# Altium PCB HV Interface.PcbDoc (part 3 of 3)
Units mil, origin at the board's own origin, x right, y up, seen from the top; angles counter-clockwise.
Board outline 6200 x 4300 mil, 2 copper layers (Top Layer, Bottom Layer), stack 59.8 mil thick; 137 components, 86 nets, 402 pads, 288 vias.
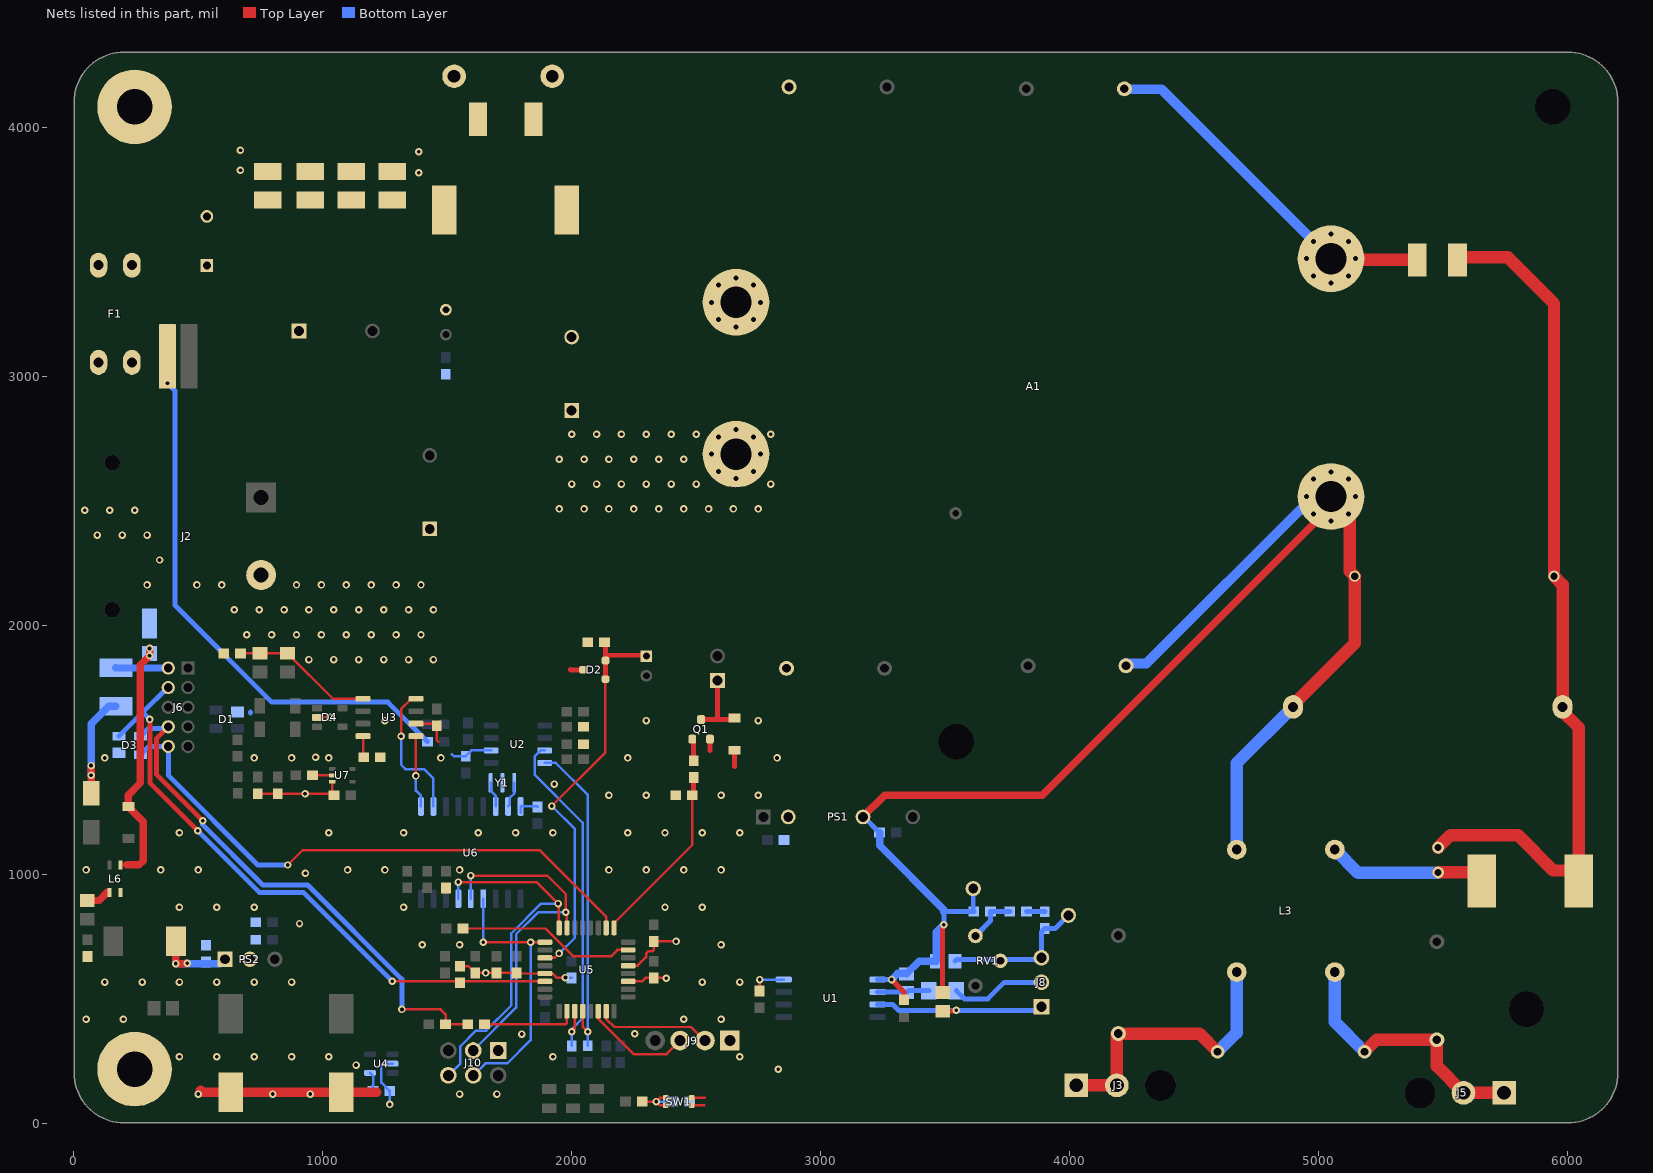
[diagram p3: the nets of this part, all layers, seen from the top]

## Via types
v1: diameter 30, hole 15, Top Layer to Bottom Layer, tented both sides, 256 vias
v2: diameter 40, hole 20, Top Layer to Bottom Layer, tented both sides, 32 vias

## Nets (pads, with @x,y where several pads share a name; then routed paths per layer and width w, separated by ;. In a path a pad name is that pad's centre, name@x,y a point inside that pad or via, vN(x,y) a via of type N, cw(c..) or ccw(c..) an arc to the next point about the centre after c; other vN are vias at no path point) (continued)
DCDC_OUT+: F1.2 F1.4 R15.1 R16.1 | length 2145.7
  Bottom Layer w20: v1(376.6,2975) 407,2944.6 407,2082.57 795.77,1693.81 1262.1,1693.81 R16.1@1420.91,1535
EN_FB: FB2.2 J8.2 | length 382.8
  Bottom Layer w20: FB2.2@3545.12,535.13 3577.61,502.63 3671.63,502.63 3738,569 J8.2@3887,569
EN_HV: C22.1 FB2.1 U1.6 | length 210.8
  Bottom Layer w20: U1.6@3228.19,530 3342.6,530 C22.1@3345,527.6 3352.53,535.13 FB2.1@3434.88,535.13
EXT_NTC_N: D3.2 J6.4 R37.1 U5.22 | length 2492
  Top Layer w10: v1(1280,572.76) U5.22@1892.68,572.76
  Top Layer w20: v1(305.84,1624.65) 305.84,1370.32 v1(498.08,1178.08)
  Bottom Layer w20: D3.2@181.69,1557.4 279.23,1654.94 ; v1(305.84,1624.65) 279.23,1651.26 279.23,1654.94 ; J6.4@380,1752.48 376.77,1752.48 279.23,1654.94 ; v1(498.08,1178.08) 747.36,928.8 923.96,928.8 v1(1280,572.76)
FAN1-: D10.2 J1.1 Q1.3 | length 298.9
  Top Layer w20: Q1.3@2520,1624.37 2580.84,1624.37 ; J1.1@2585.67,1780.79 2585.67,1629.2 2580.84,1624.37 ; D10.2@2655,1637.69 2641.68,1624.37 2580.84,1624.37
FAN1_FET: Q1.1 R34.2 | length 89.4
  Top Layer w20: Q1.1@2484.57,1545.63 2490,1540.2 R34.2@2490,1458.46
FAN1_PWM: R34.1 R36.2 U5.9 | length 736.7
  Top Layer w10: U5.9@2170.24,787.32 2170.24,806.02 2484.57,1120.35 R36.2@2484.57,1320
  Top Layer w20: R36.2@2484.57,1320 2490,1325.43 R34.1@2490,1391.54
FAN2_PWM: D3.4 J6.10 U5.10 | length 2330.6
  Top Layer w10: v1(860,1040) 920,1100 1871.22,1100 2138.74,832.48 U5.10@2138.74,787.32
  Bottom Layer w20: D3.4@268.31,1482.6 301.97,1516.26 J6.10@380,1516.26 380,1400 740,1040 v1(860,1040)
FAULT_HV: J8.1 R6.2 U1.7 | length 731
  Top Layer w20: R6.2@3490,452.73 3538.57,452.73 3542.41,456.57 v1(3545.12,456.57)
  Bottom Layer w20: U1.7@3228.19,480 3289.21,480 3312.64,456.57 v1(3545.12,456.57) 3873,456.57 J8.1@3887,470.57
FILT: C3.1 C9.2 C10.2 C11.2 C12.2 F1.1 F1.3 JP1.1 L2.2 R1.1 R4.2
FUSED: D8.1 F2.2 | length 447.7
  Top Layer w30: D8.1@70,1328.74 v1(70,1400) v1(70,1439.49)
  Bottom Layer w30: v1(70,1400) v1(70,1439.49) 70,1607.76 140.47,1678.23 F2.2@170,1678.23
GND: C18.1 C21.1 C24.2 C25.1 C26.1 C27.1 C28.1 C29.1 C30.1 C31.1 C32.2 C33.2 C34.1 C35.1 C36.2 C37.2 C38.1 C39.1 C40.1 C41.1 C42.1 C43.2 D1.1 D2.3 D3.1 D4.2 D10.1 J9.1 J10.1 L6.4 MTG2.1 PS1.2 PS2.2 Q1.2 R12.1 R13.1 R19.1 R23.1 R33.1 R35.2 R36.1 R37.2 SW1.A U1.4 U2.6 U3.2 U4.2 U5.3 U5.5 U5.21 U6.9 U7.3 Y1.2 | length 3051.2
  Top Layer w10: R33.1@739.43,1326.54 C42.1@819.43,1326.54 v1(929.43,1326.54) 1039.43,1326.54 1039.07,1326.89 U7.3@1039.07,1374.41 ; D4.2@977.48,1632.6 v1(1028.46,1632.6) ; U3.2@1374.76,1607.6 1450,1607.6 C26.1@1458.46,1599.13 1458.46,1540.91 1464.37,1535 ; R37.2@1551.46,633.46 1586.07,633.46 C27.1@1613,606.54 v1(1655.5,606.54) C28.1@1698,606.54 C29.1@1778,606.54 1780.28,604.25 U5.21@1892.68,604.25 1923.42,604.25 1939.6,588.07 v1(1975,588.07) ; U5.3@2227.32,572.76 2282.79,572.76 2296.57,586.54 C32.2@2330,586.54 2378.96,586.54 v1(2380,585.5) ; U5.5@2227.32,635.75 2265.12,635.75 2299.31,669.94 2299.31,685.18 2306.93,692.8 2324.14,692.8 2330,698.66 C33.2@2330,733.07 v1(2419.3,733.07) ; SW1.A@2481.71,75.24 2532.96,75.24 2533.43,75.71 ; SW1.A@2481.71,104.76 2535.63,104.76 ; C18.1@2755,533.46 v1(2755,580)
  Top Layer w20: 1995,1825 1995.93,1824.07 D2.3@2045.83,1824.07 ; 2555,1500 2555.43,1500.43 Q1.2@2555.43,1545.63 ; 2655,1435 D10.1@2655,1500.81
  Top Layer w40: 510,135 517.6,127.4 1215.77,127.4
  Bottom Layer w10: v1(1269.06,78.31) R23.1@1269.06,132.4 1235.59,165.87 1235.59,236.54 1241.45,242.4 U4.2@1280.87,242.4 ; 1519.37,1484.09 1526.81,1476.65 C24.2@1574.37,1476.65 1597.72,1500 U2.6@1677.09,1500 ; U6.9@1795,1249.45 U6.9@1795,1275.04 1861.14,1275.04 C34.1@1863.11,1273.07 ; v1(1975,588.07) 1998.46,588.07 C30.1@2000,586.54 ; v1(2755,580) U1.4@2851.81,580
  Bottom Layer w20: 710,1650 710,1654.53
  other v1: 500,120 800,120 950,120 1550,120 1700,120 2830,220 1134.21,236.54 425,270 575,270 725,270 875,270 1025,270 1925,270 2675,270 1800,361.03 2253.41,362.76 50,420 200,420 2450,420 2600,420 125,570 275,570 425,570 575,570 725,570 875,570 2525,570 2675,570 1400,720 1550,720 2600,720 907,805 425,870 575,870 725,870 1325,870 2375,870 2525,870 931,1007 50,1020 350,1020 500,1020 1100,1020 1250,1020 1550,1020 2150,1020 2300,1020 2450,1020 2600,1020 425,1170 1025,1170 1325,1170 1625,1170 1775,1170 1925,1170 2225,1170 2375,1170 2525,1170 2675,1170 2150,1320 2300,1320 2600,1320 2750,1320 1930.04,1365 125,1470 725,1470 875,1470 1025,1470 1475,1470 2225,1470 2825,1470 971.57,1472.6 1250,1620 2300,1620 2750,1620
HV+: A1.1 C4.1 FB1.2 | length 1923.2
  Top Layer w50: FB1.2@5400,3470 A1.1@5143.43,3470 ; A1.1@5143.43,3470 v2(5148.43,3475) 5119.6,3503.83 v2(5119.6,3544.6) 5078.83,3544.6 v2(5050,3573.43) 5021.17,3544.6 v2(4980.4,3544.6) 4980.4,3503.83 v2(4951.57,3475) 4980.4,3446.17 v2(4980.4,3405.4) 5021.17,3405.4 v2(5050,3376.57) 5078.83,3405.4 v2(5119.6,3405.4) 5119.6,3446.17 A1.1@5143.43,3470
  Bottom Layer w40: C4.1@4220,4157.5 4221.91,4155.59 4369.41,4155.59 v2(4980.4,3544.6)
HV+_CMC: L1.1 L3.4 R3.1 | length 643.3
  Top Layer w50: R3.1@5480,1010 5620.12,1010 L1.1@5655.12,975
  Bottom Layer w50: L3.4@5065,1102.13 5158.39,1008.73 R3.1@5480,1008.73
HV+_FIL: C8.2 FB1.1 L1.2 R3.2 R5.2 | length 3477.9
  Top Layer w50: R3.2@5480,1110 5530,1160 5800,1160 5942.08,1017.92 6012.8,1017.92 L1.2@6044.88,985.83 ; FB1.1@5553.54,3470 5563.54,3480 5760,3480 5945.39,3294.61 R5.2@5945.39,2200 5980,2165.39 C8.2@5980,1675 ; C8.2@5976.34,1660 6044.88,1591.46 L1.2@6044.88,985.83 ; L1.2@6044.88,975 L1.2@6044.88,985.83
HV-: A1.2 C8.1 C15.2 C17.1 C19.2 C20.1 C22.2 L3.3 PS1.5 R5.1 R6.1 R9.1 TP2.1 U1.5 | length 7157.4
  Top Layer w20: v1(3285,580) 3335,530 C17.1@3335,498.46 ; R6.1@3490,527.53 3490,792.29 3495,797.29 v1(3495,800)
  Top Layer w30: PS1.5@3170,1233.15 3256.85,1320 3890,1320 5050,2480 A1.2@5050,2520
  Top Layer w40: v2(4951.57,2520) 4980.4,2548.83 v2(4980.4,2589.6) 5021.17,2589.6 v2(5050,2618.43) 5078.83,2589.6 v2(5119.6,2589.6) 5119.6,2548.83 v2(5148.43,2520) 5119.6,2491.17 v2(5119.6,2450.4)
  Top Layer w50: C8.1@4897.32,1675 4897.32,1682.5 5145,1930.18 R5.1@5145,2200 5125,2220 5125,2445 v2(5119.6,2450.4) A1.2@5050,2520 ; v2(5050,2421.57) A1.2@5050,2480
  Bottom Layer w20: PS1.5@3170,1233.15 3173.39,1233.15 C20.1@3236.54,1170 ; U1.5@3228.19,580 v1(3285,580) ; v1(3495,800) 3495,853 R9.1@3612.8,853 ; TP2.1@3613,945 3613,855.54 R9.1@3615.54,853
  Bottom Layer w30: C20.1@3236.54,1170 3236.54,1118.98 3495,860.51 3495,853 ; v1(3285,580) 3309.37,604.37 C22.2@3345,604.37 ; C22.2@3345,602.4 3396.02,653.43 C19.2@3464.6,653.43 3464.6,769.6 v1(3495,800)
  Bottom Layer w40: C15.2@4220,1850 4309.29,1850 A1.2@4965.43,2506.14
  Bottom Layer w50: L3.3@4671.3,1102.13 4671.3,1448.98 C8.1@4897.32,1675
  other v2: 4980.4,2450.4
HV_IN+: C5.1 C7.2 J3.1 J3.2 L3.2 | length 1156.5
  Top Layer w50: J3.1@4027.01,155 J3.2@4190,155 C5.1@4190,363.15 ; C5.1@4191.17,363.15 C5.1@4195.79,363.15 4521.3,363.15 C7.2@4594.45,290
  Bottom Layer w50: C7.2@4594.45,290 4671.3,366.85 L3.2@4671.3,610
HV_IN-: C7.1 C14.2 J5.1 J5.2 L3.1 | length 1100.1
  Top Layer w50: C7.1@5185,290 5233.15,338.15 C14.2@5475,338.15 5475,232.01 J5.2@5582.01,125 J5.1@5745,125
  Bottom Layer w50: L3.1@5065,610 5065,410 C7.1@5185,290
I2C.SCL: R25.1 U2.4 U5.28 | length 1325
  Top Layer w10: U5.28@2044.25,452.68 2044.25,390.75 v1(2065,370)
  Bottom Layer w10: U2.4@1891.65,1450 1936.16,1450 2065,1321.16 v1(2065,370) R25.1@2065,314.09
I2C.SDA: R24.1 U2.3 U5.27 | length 1398.6
  Top Layer w10: v1(2000,370) 2012.76,382.76 U5.27@2012.76,452.68
  Bottom Layer w10: U2.3@1891.65,1500 1874.92,1500 1852.11,1477.19 1852.11,1401.87 2044.25,1209.72 2044.25,424.42 2003.83,384 2003.83,373.83 v1(2000,370) R24.1@2000,313.46
IN+: F2.1 J6.2 | length 210
  Bottom Layer w30: F2.1@170,1831.77 J6.2@380,1831.22
IN-: D9.2 L6.1 NT1.1 | length 987.5
  Top Layer w30: 212.57,1040.12 262.43,1040.12 280,1057.69 280,1213.83 D9.2@219.46,1274.37 219.46,1320.59 268.31,1369.43 268.31,1843.31 v1(305,1880) v1(305,1909.96)
L+: FB4.1 L6.3 | length 93.3
  Top Layer w30: FB4.1@55,897.4 102.32,897.4 134.8,929.88
m: 
MCUCLK: R29.2 U5.7 | length 721.1
  Top Layer w10: R29.2@1563.46,785 1894.61,785 2006.87,672.74 2157.8,672.74 2183.8,698.74 U5.7@2227.32,698.74
NetC35_2: C35.2 R28.2 SW1.B | length 210.1
  Top Layer w10: R28.2@2283.46,90 v1(2339.76,90) ; SW1.B@2377.38,75.24 2354.52,75.24 v1(2339.76,90) ; SW1.B@2377.38,104.76 2354.52,104.76 v1(2339.76,90)
  Bottom Layer w10: v1(2339.76,90) C35.2@2406.08,90
NetC39_2: C39.2 L5.2 PS2.1 | length 361.9
  Top Layer w30: L5.2@406,751 410,747 v1(410,644) 450,644 449,645 v1(456,645)
  Bottom Layer w30: v1(410,644) 588,644 606,662 PS2.1@607,661
NetR7_1: R7.1 R8.2 | length 74.3
  Bottom Layer w20: R8.2@3826.96,853 3900.46,853 R7.1@3901,852.46
NetR8_1: R8.1 R9.2 RV1.1 | length 200.6
  Bottom Layer w20: RV1.1@3622,755 3682.46,815.46 R9.2@3682.46,853 R8.1@3760.03,853
NetR19_2: R19.2 U3.8 | length 86.2
  Top Layer w10: U3.8@1162.16,1557.6 1162.16,1475.43 R19.2@1165,1472.6
NetR23_2: R23.2 U4.4 | length 78.1
  Bottom Layer w10: U4.4@1190.31,205 1202.83,192.48 1202.83,153.61 1202.13,152.9 R23.2@1202.13,132.4
NetR32_1: R32.1 U7.2 | length 79.6
  Top Layer w10: R32.1@959.43,1400 U7.2@1039.07,1400
OSC1: U6.8 Y1.3 | length 105.1
  Bottom Layer w10: U6.8@1745,1275.04 1751.25,1281.29 1751.25,1308.51 1769.43,1326.69 Y1.3@1769.43,1370
OSC2: U6.7 Y1.1 | length 103.3
  Bottom Layer w10: Y1.1@1674.94,1370 1674.94,1338.5 1695,1318.45 U6.7@1695,1275.04
PGND: A1.4 C1.2 C2.2 C3.2 C9.1 C10.1 C11.1 C12.1 C13.2 C16.2 J2.2 MTG1.1 NT1.2 R2.1
  other v1: 945,1865 1045,1865 1145,1865 1245,1865 1345,1865 1445,1865 695,1965 795,1965 895,1965 995,1965 1095,1965 1195,1965 1295,1965 1395,1965 645,2065 745,2065 845,2065 945,2065 1045,2065 1145,2065 1245,2065 1345,2065 1445,2065 295,2165 495,2165 595,2165 895,2165 995,2165 1095,2165 1195,2165 1295,2165 1395,2165 345,2265 95,2365 195,2365 295,2365 45,2465 145,2465 245,2465 1950,2470 2050,2470 2150,2470 2250,2470 2350,2470 2450,2470 2550,2470 2650,2470 2750,2470 2000,2570 2100,2570 2200,2570 2300,2570 2400,2570 2500,2570 2800,2570 1950,2670 2050,2670 2150,2670 2250,2670 2350,2670 2450,2670 2000,2770 2100,2770 2200,2770 2300,2770 2400,2770 2500,2770 2800,2770 1386,3820 670,3830 1386,3905 670,3910.59
  other v2: 2660,2591.57 2590.4,2620.4 2729.6,2620.4 2561.57,2690 2758.43,2690 2590.4,2759.6 2729.6,2759.6 2660,2788.43
RX: U3.4 U6.2 | length 566.1
  Top Layer w10: v1(1315,1557.6) 1315,1666.53 1356.06,1707.6 U3.4@1374.76,1707.6
  Bottom Layer w10: v1(1315,1557.6) 1315,1442.46 1332.46,1425 1407.59,1425 1445,1387.59 U6.2@1445,1275.04
SPI.MISO: J10.6 U5.16 U6.15 | length 1538.5
  Top Layer w10: v1(1545,971.54) 1859.13,971.54 v1(1945.67,885) 1947.72,882.95 1947.72,789.37 U5.16@1949.76,787.32
  Bottom Layer w10: J10.6@1505,195 1553.46,243.46 1553.46,312 1616.46,375 1656.54,375 1757.45,475.92 1757.45,765.08 1877.37,885 v1(1945.67,885) ; U6.15@1545,904.96 v1(1545,971.54)
SPI.MOSI: J10.3 U5.15 U6.14 | length 1414.8
  Top Layer w10: v1(1595,997.54) 1902.21,997.54 1976.37,923.38 v1(1976.37,850) ; U5.15@1981.26,787.32 v1@1981.26,850
  Bottom Layer w10: U6.14@1595,904.96 v1(1595,997.54) ; J10.3@1605,295 1776.96,466.96 1776.96,761.96 1865,850 v1(1976.37,850)
SPI.SCK: J10.4 U5.17 U6.13 | length 1104.5
  Top Layer w10: v1(1645,730.24) v1(1835,730.24) U5.17@1892.68,730.24
  Bottom Layer w10: J10.4@1605,195 1653.46,243.46 1741.61,243.46 1835,336.86 v1(1835,730.24) ; v1(1645,730.24) U6.13@1645,904.96
SPLIT: C25.2 R17.1 R18.2 U3.5 | length 567.7
  Top Layer w10: C25.2@670,1890 R17.1@858.46,1890 1040.87,1707.6 U3.5@1162.16,1707.6
TRIM: C19.1 J8.3 R7.2 RV1.2 TP1.1 | length 597.7
  Bottom Layer w20: C19.1@3539.4,653.43 3545.94,659.96 3717.04,659.96 RV1.2@3722,655 3728.21,661.21 3880.79,661.21 J8.3@3887,667.43 3887,771.54 R7.2@3900.54,785.07 ; R7.2@3900,785.07 R7.2@3900.54,785.07 ; TP1.1@3995,838 3942.07,785.07 R7.2@3900.54,785.07
TS_DET: R39.2 U5.26 | length 380.4
  Top Layer w10: R39.2@1649.93,400 1975.12,400 1981.26,406.14 U5.26@1981.26,452.68
TS_DET_IN: D3.3 J6.8 R38.1 R39.1 | length 2107.9
  Top Layer w10: v1(1318.27,460) 1473.46,460 1493.46,440 R38.1@1493.46,400 R39.1@1583,400
  Top Layer w20: J6.8@380,1595 333.43,1548.43 333.43,1402.73 v1(518.08,1218.08)
  Bottom Layer w20: D3.3@268.31,1557.4 299.91,1589 374,1589 J6.8@380,1595 ; v1(518.08,1218.08) 518.08,1201.92 760,960 940,960 1318.27,581.73 v1(1318.27,460)
TX: U3.1 U6.1 | length 290.9
  Top Layer w10: v1(1374.76,1397.86) U3.1@1374.76,1557.6
  Bottom Layer w10: v1(1374.76,1397.86) 1374.76,1339.03 1395,1318.79 U6.1@1395,1275.04
UART.RXD: J9.3 U5.30 | length 440.1
  Top Layer w10: U5.30@2107.24,452.68 2107.24,422.15 2248.76,280.63 2381.26,280.63 J9.3@2435.63,335
UART.TXD: J9.2 U5.31 | length 463.5
  Top Layer w10: U5.31@2138.74,452.68 2138.74,422.15 2171.52,389.37 2480,389.37 2534.37,335 J9.2@2535.63,335
VICOR_NTC: D2.1 D2.2 J4.1 R35.1 U5.19 | length 1635.7
  Top Layer w10: U5.19@1892.68,667.24 1932.01,667.24 v1(1949.63,684.86) ; v1(1920,1276.65) 2135.99,1492.65 D2.1@2135.99,1786.67
  Top Layer w20: R35.1@2131.93,1935 2135.99,1930.94 2135.99,1882.46 ; D2.1@2135.99,1786.67 D2.2@2135.99,1861.47 2135.99,1882.46 ; J4.1@2300,1878.74 2296.28,1882.46 2135.99,1882.46
  Bottom Layer w10: v1(1920,1276.65) 2012.76,1183.9 2012.76,747.99 v1(1949.63,684.86)
VICOR_OUT: A1.3 C6.1 C13.1 JP1.2 L2.1 R4.1
  other v2: 2660,3201.57 2590.4,3230.4 2729.6,3230.4 2561.57,3300 2758.43,3300 2590.4,3369.6 2729.6,3369.6 2660,3398.43
pads on no net: J2.M1 J2.M2 J3.3 J5.3 MTG3.1 MTG4.1 MTG5.1 RV1.3 U4.3 U5.8 U6.4 U6.5 U6.6 U6.10 U6.11 U7.1
copper on no net: | length 1.3
  Top Layer w20: 2750,220 2750.91,219.09

## Polygon pours and split planes (outlines as drawn)
GND on Bottom Layer "BOT_GND" (solid, remove dead copper, pour order 13): 2890,2560 0,2560 0,-60 65,5 2905,5
PGND on Bottom Layer "PGND_L02_P008" (solid, remove dead copper, pour order 8): 365,2255 850,1770 2900,1770 2900,4305 100,4305 ccw(c100,4205) 0,4205 0,2255
BASE on Bottom Layer "BASE_L02_P000" (solid, remove dead copper, pour order 0): 3484.95,1631.5 3900,1631.5 3900,4245 3484.95,4245
+DCDC_OUT on Bottom Layer "+DCDC_OUT_L02_P002" (solid, remove dead copper, pour order 2): 421.89,3220 421.89,2338.11 1085.74,2338.11 1085.74,3069.26 935.26,3219.74 536.97,3219.74
PGND on Top Layer "PGND" (solid, pour order 12): 2873.51,2910 2873.51,2440 1875,2440 1875,2910
VICOR_OUT on Top Layer "VICOR_OUT_L01_P003" (solid, remove dead copper, pour order 3): 1730,4300 1730,2910 2904.62,2910 2900,4305
FILT on Top Layer "FILT_L01_P006" (solid, remove dead copper, pour order 6): 1710,4304.68 1710,3230 0,3230 5,4301.16
GND on Top Layer "TOP_GND" (solid, remove dead copper, pour order 14): 2892.08,2205 -2.78,2205 -20,5 65,5 2905,5
+DCDC_OUT on Top Layer "+DCDC_OUT_L01_P015" (solid, remove dead copper, pour order 15): 421.89,3220 421.89,2338.11 1085.74,2338.11 1085.74,3069.26 935.26,3219.74 536.97,3219.74
DCDC_OUT+ on Top Layer "DCDC_OUT+_L01_P007" (solid, remove dead copper, pour order 7): 411.14,3220 411.14,2945 15,2945 15,3225
PGND on Top Layer "PGND_L01_P009" (solid, remove dead copper, pour order 9): 7,2940 7,2543 7,1960.5 659.5,1960.5 860,1760 1515,1760 1515,2345 365,2345 365,2940
PGND on Top Layer "PGND_L01_P005" (solid, remove dead copper, pour order 5): 1408,3790 635,3790 635,3945 1408,3945

## Keep-outs
Top Layer:
  rectangle: 2645,680 2870,1045
Keep-Out Layer:
  rectangle: 2895,5 2920,4304.68
  lines w15: 1.93,204.68 ccw(c201.93,204.68) 201.93,4.68 6001.93,4.68 ccw(c6001.93,204.68) 6201.93,204.68 6201.93,4104.68 ccw(c6001.93,4104.68) 6001.93,4304.68 201.93,4304.68 ccw(c201.93,4104.68) 1.93,4104.68 1.93,204.68

## Other copper
Top Layer:
  rectangle net GND: 183,895 195,965
  rectangle net A1: 1965.2,1614.17 1997.49,1644.92
  rectangle net IN-: 175.07,1016.4 219.46,1063.83
  rectangle net GND: 165,915 258.59,945
  pour cut-out: 1343.95,1628.49 1343.95,1586.71 1463.46,1586.71 1463.46,1628.49
  region net +5_MCU: 2330,801.04
  region net +5_MCU: 2330,800
  pour cut-out: 1660,825.71 1660,414.29 2348,414.29 2348,825.71
  pour cut-out: 1020,1380 1022.34,1377.66 1022.34,1302 1069.43,1302 1067.62,1303.81 1067.62,1381.3
  pour cut-out: 85,1880 255,1880 255,1630 85,1630
Bottom Layer:
  rectangle net PGND: 275,1980 335,2090
  rectangle net PGND: 268.31,2010 355,2300
  rectangle net HV-: 3305,580 3330.36,595
  pour cut-out: 254.29,1880 84.29,1880 84.29,1630 254.29,1630
  pour cut-out: 1314.49,247.4 1310.49,251.4 1310.49,264.21 1222.16,264.21 1215.77,257.83 1215.77,127.4 1265.87,127.4 1289.57,151.1
  region: 145,1685
  pour cut-out: 1544.37,1525 1544.37,1443.19 1784.37,1443.19 1784.37,1525
  region: 1638.7,1525

## Silkscreen, mask and mechanical layers (free items; w line width, h text height)
Top Overlay:
  drawing of 16 lines, arcs and shapes, not listed
  text "Filter Bypass" at 925,4155 h50
  text "X" at 2240,3885 h400
  text "+12" at 2465,3610 h100
  text "X" at 4185,3485 h400
  text "HV+" at 4585,3415 h100
  text "f" at 30,2865 h80
  text "20A" at 135,2845 h60
  text "m" at 3625,2660 h800
  text "HV-" at 4600,2445 h100
  text "HV Interface Board / CS4.5 / Andrew Katz / aakatz3@gmail.com / 2/25/20" at 5900,2400 h60 r90
  text "a" at 2685,2255 h150
  text "0V" at 2445,2250 h100
  text "NTC" at 2195,2060 h60
  text "FAN" at 2480,2060 h60
  text "JLCJLCJLCJLC" at 5145,1635 h60
  text "m" at 3786,1080 h400
  text "GLV" at 2672,1031 h120 r270
  text "m" at 3510,915 h100 r90
  text "c" at 2701,708 h100 r270
  text "i" at 980,605 h300
  text "TSV" at 3535,574 h120 r90
  text "+" at 3670,40 h200
  text "Reset" at 2509,17 h30
  text "-" at 5915,-66.39 h200
Bottom Overlay:
  lines w10: 510,2515 590,2515 ; 590,2465 590,2570
  lines w30: 2920,5 2920,1170 ; 2920,1290 2920,1760 ; 2920,1905 2920,4090 ; 2920,4220 2920,4304.68 ; 3300,5 3300,470 ; 3300,655 3300,1120 ; 3300,1290 3300,1760 ; 3300,1905 3300,4090 ; 3300,4220 3300,4304.68
  text "+12" at 2771.36,3603.9 h100
  text "HV+" at 4905,3410 h100
  text "X" at 581,3014 h400
  text "m" at 4505,2660 h800
  text "+12" at 610,2475.02 h30 r270
  text "HV-" at 4900,2450 h100
  text "a" at 2560,2265 h150
  text "0V" at 2800,2260 h100
  text "a" at 510,2155 h150 r270
  text "TSV" at 3507,1129 h120 r90
  text "c" at 2702,929 h100 r270
  text "m" at 3479,826 h100 r90
  text "GLV" at 2677,599 h120 r270
Top Assembly:
  text "NTC" at 2220,2060 h50
  text "FAN" at 2520,2020 h50
Drill Drawing:
  drawing of 185 lines, arcs and shapes, not listed
  text "Symbol" at -462.95,-138.94 h60.8
  text "Count" at -30.78,-138.94 h60.8
  text "Hole Size" at 478.87,-138.94 h60.8
  text "Plated" at 1452.83,-138.94 h60.8
  text "Hole Type" at 1885,-138.94 h60.8
  text "Drill Layer Pair" at 2509.65,-138.94 h60.8
  text "Via/Pad" at 3779.07,-138.94 h60.8
  text "Pad Shape" at 4282.15,-138.94 h60.8
  text "1" at -30.78,-265.61 h50.67
  text "27.00mil (0.686mm)" at 478.87,-265.61 h50.67
  text "PTH" at 1452.83,-265.61 h50.67
  text "Round" at 1885,-265.61 h50.67
  text "Top Layer - Bottom Layer" at 2509.65,-265.61 h50.67
  text "Pad" at 3779.07,-265.61 h50.67
  text "Rounded" at 4282.15,-265.61 h50.67
  text "2" at -30.78,-392.28 h50.67
  text "30.00mil (0.762mm)" at 478.87,-392.28 h50.67
  text "PTH" at 1452.83,-392.28 h50.67
  text "Round" at 1885,-392.28 h50.67
  text "Top Layer - Bottom Layer" at 2509.65,-392.28 h50.67
  text "Pad" at 3779.07,-392.28 h50.67
  text "Rounded" at 4282.15,-392.28 h50.67
  text "2" at -30.78,-518.95 h50.67
  text "40.00mil (1.016mm)" at 478.87,-518.95 h50.67
  text "PTH" at 1452.83,-518.95 h50.67
  text "Round" at 1885,-518.95 h50.67
  text "Top Layer - Bottom Layer" at 2509.65,-518.95 h50.67
  text "Pad" at 3779.07,-518.95 h50.67
  text "Rounded" at 4282.15,-518.95 h50.67
  text "H" at -488.59,-528.94 h56.3
  text "2" at -30.78,-645.62 h50.67
  text "51.18mil (1.300mm)" at 478.87,-645.62 h50.67
  text "PTH" at 1452.83,-645.62 h50.67
  text "Round" at 1885,-645.62 h50.67
  text "Top Layer - Bottom Layer" at 2509.65,-645.62 h50.67
  text "Pad" at 3779.07,-645.62 h50.67
  text "Rounded" at 4282.15,-645.62 h50.67
  text "D" at -488.59,-655.61 h56.3
  text "2" at -30.78,-772.29 h50.67
  text "60.00mil (1.524mm)" at 478.87,-772.29 h50.67
  text "PTH" at 1452.83,-772.29 h50.67
  text "Round" at 1885,-772.29 h50.67
  text "Top Layer - Bottom Layer" at 2509.65,-772.29 h50.67
  text "Pad" at 3779.07,-772.29 h50.67
  text "(Mixed)" at 4282.15,-772.29 h50.67
  text "2" at -30.78,-898.96 h50.67
  text "63.00mil (1.600mm)" at 478.87,-898.96 h50.67
  text "NPTH" at 1452.83,-898.96 h50.67
  text "Round" at 1885,-898.96 h50.67
  text "Top Layer - Bottom Layer" at 2509.65,-898.96 h50.67
  text "Pad" at 3779.07,-898.96 h50.67
  text "Rounded" at 4282.15,-898.96 h50.67
  text "2" at -30.78,-1025.63 h50.67
  text "125.00mil (3.175mm)" at 478.87,-1025.63 h50.67
  text "NPTH" at 1452.83,-1025.63 h50.67
  text "Round" at 1885,-1025.63 h50.67
  text "Top Layer - Bottom Layer" at 2509.65,-1025.63 h50.67
  text "Pad" at 3779.07,-1025.63 h50.67
  text "Rounded" at 4282.15,-1025.63 h50.67
  text "2" at -30.78,-1152.3 h50.67
  text "142.00mil (3.607mm)" at 478.87,-1152.3 h50.67
  text "PTH" at 1452.83,-1152.3 h50.67
  text "Round" at 1885,-1152.3 h50.67
  text "Top Layer - Bottom Layer" at 2509.65,-1152.3 h50.67
  text "Pad" at 3779.07,-1152.3 h50.67
  text "Rounded" at 4282.15,-1152.3 h50.67
  text "3" at -30.78,-1278.97 h50.67
  text "31.10mil (0.790mm)" at 478.87,-1278.97 h50.67
  text "PTH" at 1452.83,-1278.97 h50.67
  text "Round" at 1885,-1278.97 h50.67
  text "Top Layer - Bottom Layer" at 2509.65,-1278.97 h50.67
  text "Pad" at 3779.07,-1278.97 h50.67
  text "Rounded" at 4282.15,-1278.97 h50.67
  text "3" at -30.78,-1405.64 h50.67
  text "41.73mil (1.060mm)" at 478.87,-1405.64 h50.67
  text "PTH" at 1452.83,-1405.64 h50.67
  text "Round" at 1885,-1405.64 h50.67
  text "Top Layer - Bottom Layer" at 2509.65,-1405.64 h50.67
  text "Pad" at 3779.07,-1405.64 h50.67
  text "(Mixed)" at 4282.15,-1405.64 h50.67
  text "B" at -488.59,-1415.63 h56.3
  text "3" at -30.78,-1532.31 h50.67
  text "142.00mil (3.607mm)" at 478.87,-1532.31 h50.67
  text "NPTH" at 1452.83,-1532.31 h50.67
  text "Round" at 1885,-1532.31 h50.67
  text "Top Layer - Bottom Layer" at 2509.65,-1532.31 h50.67
  text "Pad" at 3779.07,-1532.31 h50.67
  text "Rounded" at 4282.15,-1532.31 h50.67
  text "4" at -30.78,-1658.98 h50.67
  text "31.50mil (0.800mm)" at 478.87,-1658.98 h50.67
  text "PTH" at 1452.83,-1658.98 h50.67
  text "Round" at 1885,-1658.98 h50.67
  text "Top Layer - Bottom Layer" at 2509.65,-1658.98 h50.67
  text "Pad" at 3779.07,-1658.98 h50.67
  text "(Mixed)" at 4282.15,-1658.98 h50.67
  text "4" at -30.78,-1785.64 h50.67
  text "40.00mil (1.016mm)" at 478.87,-1785.64 h50.67
  text "PTH" at 1452.83,-1785.64 h50.67
  text "Slot" at 1885,-1785.64 h50.67
  text "Top Layer - Bottom Layer" at 2509.65,-1785.64 h50.67
  text "Pad" at 3779.07,-1785.64 h50.67
  text "Rounded" at 4282.15,-1785.64 h50.67
  text "G" at -488.59,-1795.64 h56.3
  text "4" at -30.78,-1912.31 h50.67
  text "43.50mil (1.105mm)" at 478.87,-1912.31 h50.67
  text "PTH" at 1452.83,-1912.31 h50.67
  text "Round" at 1885,-1912.31 h50.67
  text "Top Layer - Bottom Layer" at 2509.65,-1912.31 h50.67
  text "Pad" at 3779.07,-1912.31 h50.67
  text "(Mixed)" at 4282.15,-1912.31 h50.67
  text "4" at -30.78,-2038.98 h50.67
  text "55.00mil (1.397mm)" at 478.87,-2038.98 h50.67
  text "PTH" at 1452.83,-2038.98 h50.67
  text "Round" at 1885,-2038.98 h50.67
  text "Top Layer - Bottom Layer" at 2509.65,-2038.98 h50.67
  text "Pad" at 3779.07,-2038.98 h50.67
  text "(Mixed)" at 4282.15,-2038.98 h50.67
  text "4" at -30.78,-2165.65 h50.67
  text "125.98mil (3.200mm)" at 478.87,-2165.65 h50.67
  text "PTH" at 1452.83,-2165.65 h50.67
  text "Round" at 1885,-2165.65 h50.67
  text "Top Layer - Bottom Layer" at 2509.65,-2165.65 h50.67
  text "Pad" at 3779.07,-2165.65 h50.67
  text "Rounded" at 4282.15,-2165.65 h50.67
  text "6" at -30.78,-2292.32 h50.67
  text "27.56mil (0.700mm)" at 478.87,-2292.32 h50.67
  text "PTH" at 1452.83,-2292.32 h50.67
  text "Round" at 1885,-2292.32 h50.67
  text "Top Layer - Bottom Layer" at 2509.65,-2292.32 h50.67
  text "Pad" at 3779.07,-2292.32 h50.67
  text "(Mixed)" at 4282.15,-2292.32 h50.67
  text "6" at -30.78,-2418.99 h50.67
  text "43.31mil (1.100mm)" at 478.87,-2418.99 h50.67
  text "PTH" at 1452.83,-2418.99 h50.67
  text "Round" at 1885,-2418.99 h50.67
  text "Top Layer - Bottom Layer" at 2509.65,-2418.99 h50.67
  text "Pad" at 3779.07,-2418.99 h50.67
  text "(Mixed)" at 4282.15,-2418.99 h50.67
  text "A" at -488.59,-2428.98 h56.3
  text "10" at -30.78,-2545.66 h50.67
  text "35.43mil (0.900mm)" at 478.87,-2545.66 h50.67
  text "PTH" at 1452.83,-2545.66 h50.67
  text "Round" at 1885,-2545.66 h50.67
  text "Top Layer - Bottom Layer" at 2509.65,-2545.66 h50.67
  text "Pad" at 3779.07,-2545.66 h50.67
  text "(Mixed)" at 4282.15,-2545.66 h50.67
  text "12" at -30.78,-2672.33 h50.67
  text "35.00mil (0.889mm)" at 478.87,-2672.33 h50.67
  text "PTH" at 1452.83,-2672.33 h50.67
  text "Round" at 1885,-2672.33 h50.67
  text "Top Layer - Bottom Layer" at 2509.65,-2672.33 h50.67
  text "Pad" at 3779.07,-2672.33 h50.67
  text "Rounded" at 4282.15,-2672.33 h50.67
  text "C" at -488.59,-2682.32 h56.3
  text "21" at -30.78,-2799 h50.67
  text "39.37mil (1.000mm)" at 478.87,-2799 h50.67
  text "PTH" at 1452.83,-2799 h50.67
  text "Round" at 1885,-2799 h50.67
  text "Top Layer - Bottom Layer" at 2509.65,-2799 h50.67
  text "Pad" at 3779.07,-2799 h50.67
  text "(Mixed)" at 4282.15,-2799 h50.67
  text "32" at -30.78,-2925.67 h50.67
  text "20.00mil (0.508mm)" at 478.87,-2925.67 h50.67
  text "PTH" at 1452.83,-2925.67 h50.67
  text "Round" at 1885,-2925.67 h50.67
  text "Top Layer - Bottom Layer" at 2509.65,-2925.67 h50.67
  text "Via" at 3779.07,-2925.67 h50.67
  text "Rounded" at 4282.15,-2925.67 h50.67
  text "F" at -488.59,-2935.66 h56.3
  text "256" at -30.78,-3052.34 h50.67
  text "15.00mil (0.381mm)" at 478.87,-3052.34 h50.67
  text "PTH" at 1452.83,-3052.34 h50.67
  text "Round" at 1885,-3052.34 h50.67
  text "Top Layer - Bottom Layer" at 2509.65,-3052.34 h50.67
  text "Via" at 3779.07,-3052.34 h50.67
  text "Rounded" at 4282.15,-3052.34 h50.67
  text "E" at -488.59,-3062.33 h56.3
  text "387 Total" at -30.78,-3179.01 h50.67
  text "Slot definitions :" at -462.95,-3304.54 h50.67
  text "Routed Path Length" at 413.47,-3304.54 h50.67
  text "= Calculated from tool start centre position to tool end centre position." at 1348.99,-3304.54 h50.67
  text "Hole Length" at 413.47,-3392.08 h50.67
  text "= Routed Path Length + Tool Size = Slot length as defined in the PCB layout" at 1002.87,-3392.08 h50.67
Sheet:
  drawing of 46 lines, arcs and shapes, not listed
  text "1" at 246.47,4695.28 h48.41
  text "2" at 2989.16,4695.28 h48.41
  text "3" at 5742.71,4695.28 h48.41
  text "4" at 8487.91,4695.28 h48.41
  text "A" at -1026.39,3732.84 h48.41
  text "A" at 9773.29,3732.84 h48.41
  text "B" at -1021.38,1607.63 h48.41
  text "B" at 9777.46,1607.63 h48.41
  text "C" at -1022.22,-517.58 h48.41
  text "C" at 9776.63,-517.58 h48.41
  text "D" at -1024.72,-2642.78 h48.41
  text "D" at 9774.12,-2642.78 h48.41
  text "Title:" at 5355.43,-2823.92 h65.94
  text "'.Pcb_File_Name_No_Path'" at 5705.15,-2834.49 h63.44
  text "Houses Vicor DC/DC Module, controls fans in" at 5603.83,-2923.17 h32.55
  text "HV box, and logs temperatures. Takes BSPD outputs" at 5603.83,-2983.27 h32.55
  text "Desc:" at 5353.43,-3012.06 h41.74
  text "and logs the outputs to CAN" at 5603.83,-3043.37 h32.55
  text "Letter" at 5553.75,-3207.39 h41.74
  text "Auth:" at 5953.55,-3207.39 h41.74
  text "Proj:" at 7053.63,-3207.39 h41.74
  text "Size:" at 5353.43,-3212.4 h41.74
  text "'.ProjAuth'" at 6203.11,-3221.3 h41.74
  text "'.ProjName'" at 7253.12,-3221.3 h41.74
  text "www.uvmaero.org" at 8730.52,-3351.47 h36.73
  text "Date:" at 5353.43,-3353.47 h36.73
  text "'.ModifiedDate'" at 5603.83,-3353.47 h36.73
  text "'.ModifiedTime'" at 6563.69,-3353.47 h36.73
  text "'.Print_Scale'" at 7053.63,-3359.59 h36.73
  text "'.Pcb_File_Name'" at 5603.83,-3447.51 h36.73
  text "File:" at 5353.43,-3453.63 h36.73
  text "1" at 246.47,-3605.22 h48.41
  text "2" at 2989.16,-3605.22 h48.41
  text "3" at 5742.71,-3605.22 h48.41
  text "4" at 8487.91,-3605.22 h48.41
Fab Notes:
  drawing of 391 lines, arcs and shapes, not listed
  text "Layer" at 6350.93,3758.95 h39.72
  text "Name" at 6629.06,3758.95 h39.72
  text "Material" at 7251.31,3758.95 h39.72
  text "Thickness" at 7727.96,3758.95 h39.72
  text "Constant" at 8164.91,3758.95 h39.72
  text "Gerber" at 8548.92,3758.95 h39.72
  text "Board Layer Stack" at 8866.75,3758.95 h39.72
  text "Top Overlay" at 6629.06,3679.51 h39.72
  text "GTO" at 8548.92,3679.51 h39.72
  text "Top Solder" at 6629.06,3600.07 h39.72
  text "Green Mask" at 7251.31,3600.07 h39.72
  text "0.79mil" at 7727.96,3600.07 h39.72
  text "4" at 8164.91,3600.07 h39.72
  text "GTS" at 8548.92,3600.07 h39.72
  text "1" at 6350.93,3520.63 h39.72
  text "Top Layer" at 6629.06,3520.63 h39.72
  text "Copper" at 7251.31,3520.63 h39.72
  text "1.40mil" at 7727.96,3520.63 h39.72
  text "GTL" at 8548.92,3520.63 h39.72
  text "Core" at 6629.06,3441.19 h39.72
  text "FR-4" at 7251.31,3441.19 h39.72
  text "57.00mil" at 7727.96,3441.19 h39.72
  text "4.2" at 8164.91,3441.19 h39.72
  text "2" at 6350.93,3361.75 h39.72
  text "Bottom Layer" at 6629.06,3361.75 h39.72
  text "Copper" at 7251.31,3361.75 h39.72
  text "1.40mil" at 7727.96,3361.75 h39.72
  text "GBL" at 8548.92,3361.75 h39.72
  text "Bottom Solder" at 6629.06,3282.31 h39.72
  text "Green Mask" at 7251.31,3282.31 h39.72
  text "0.79mil" at 7727.96,3282.31 h39.72
  text "4" at 8164.91,3282.31 h39.72
  text "GBS" at 8548.92,3282.31 h39.72
  text "Bottom Overlay" at 6629.06,3202.87 h39.72
  text "GBO" at 8548.92,3202.87 h39.72
Isolation:
  lines w10: 2920,5 2920,4304.68 ; 3300,4.68 3300,4305
  lines w100: 3035,311 3035,694 ; 3035,1036 3035,1394 ; 3035,1742 3035,1918 ; 3060,4080 3060,4229
  text "GLV" at 1037,2957 h300
  text "m" at 3904,2657 h600
  text "TSV" at 3715,1878 h300
  text "a" at 1252,1696 h600
Board:
  lines w5: 1.93,204.68 ccw(c201.93,204.68) 201.93,4.68 6001.93,4.68 ccw(c6001.93,204.68) 6201.93,204.68 6201.93,4104.68 ccw(c6001.93,4104.68) 6001.93,4304.68 201.93,4304.68 ccw(c201.93,4104.68) 1.93,4104.68 1.93,204.68 ; 2984.99,311 ccw(c3035,311) 3085.01,311 3085.01,694 ccw(c3035,694) 2984.99,694 2984.99,311 ; 2984.99,1036 ccw(c3035,1036) 3085.01,1036 3085.01,1394 ccw(c3035,1394) 2984.99,1394 2984.99,1036 ; 2984.99,1742 ccw(c3035,1742) 3085.01,1742 3085.01,1918 ccw(c3035,1918) 2984.99,1918 2984.99,1742 ; 3009.99,4080 ccw(c3060,4080) 3110.01,4080 3110.01,4229 ccw(c3060,4229) 3009.99,4229 3009.99,4080

## Dimensions
2920,5 to 3300,4.68 on Bottom Component Outline
6001.93,4104.68 to 6385,4360 on Bottom Component Outline
1.93,4104.68 to 6201.93,4104.68 on Bottom Component Outline
201.93,4.68 to 201.93,4304.68 on Bottom Component Outline
2920,1016.89 to 3300,604.37 on Top Overlay
2920,5 to 3300,4.68 on Bottom Component Outline

## Text inside footprints (layer, text, board x,y; h text height)
C9: Top Component Outline "HISTORY: MT 111010, STANDARD 1210 CAP FOOTPRINT(142 X 110_35TERMINAL), 115MILS HEIGHT." at 842.11,3858.87 h1 r270; Top Component Outline "LOCATION: SURFACEMOUNT2LEAD.PCBLIB" at 844,3859 h1 r270
C10: Top Component Outline "HISTORY: MT 111010, STANDARD 1210 CAP FOOTPRINT(142 X 110_35TERMINAL), 115MILS HEIGHT." at 1012.11,3858.87 h1 r270; Top Component Outline "LOCATION: SURFACEMOUNT2LEAD.PCBLIB" at 1014,3859 h1 r270
C11: Top Component Outline "HISTORY: MT 111010, STANDARD 1210 CAP FOOTPRINT(142 X 110_35TERMINAL), 115MILS HEIGHT." at 1177.11,3858.87 h1 r270; Top Component Outline "LOCATION: SURFACEMOUNT2LEAD.PCBLIB" at 1179,3859 h1 r270
C12: Top Component Outline "HISTORY: MT 111010, STANDARD 1210 CAP FOOTPRINT(142 X 110_35TERMINAL), 115MILS HEIGHT." at 1342.11,3858.87 h1 r270; Top Component Outline "LOCATION: SURFACEMOUNT2LEAD.PCBLIB" at 1344,3859 h1 r270
C17: Top Component Outline "SS 102512, ADDED SILKSCREEN." at 3361,523 h1 r270
C18: Top Component Outline "SS 102512, ADDED SILKSCREEN." at 2781,558 h1 r270
C19: Bottom Component Outline "SS 102512, ADDED SILKSCREEN." at 3574,689.43 h1
C20: Bottom Component Outline "SS 102512, ADDED SILKSCREEN." at 3212,1144 h1 r180
C21: Bottom Component Outline "SS 102512, ADDED SILKSCREEN." at 2878,1166 h1
C22: Bottom Component Outline "SS 102512, ADDED SILKSCREEN." at 3381,493 h1 r270
C23: Bottom Component Outline "SS 102512, ADDED SILKSCREEN." at 1610.37,1519.07 h1 r270
C24: Bottom Component Outline "SS 102512, ADDED SILKSCREEN." at 1600.37,1385.19 h1 r270
C25: Top Component Outline "SS 102512, ADDED SILKSCREEN." at 578.54,1916 h1
C26: Top Component Outline "SS 102512, ADDED SILKSCREEN." at 1432.46,1574.6 h1 r90
C27: Top Component Outline "SS 102512, ADDED SILKSCREEN." at 1587,582 h1 r90
C28: Top Component Outline "SS 102512, ADDED SILKSCREEN." at 1672,582 h1 r90
C29: Top Component Outline "SS 102512, ADDED SILKSCREEN." at 1752,582 h1 r90
C30: Bottom Component Outline "SS 102512, ADDED SILKSCREEN." at 2026,562 h1 r270
C31: Top Component Outline "SS 102512, ADDED SILKSCREEN." at 1469,923.54 h1 r90
C32: Top Component Outline "SS 102512, ADDED SILKSCREEN." at 2356,678 h1 r270
C33: Top Component Outline "SS 102512, ADDED SILKSCREEN." at 2356,824.54 h1 r270
C34: Bottom Component Outline "SS 102512, ADDED SILKSCREEN." at 1837.11,1297.61 h1 r90
C35: Bottom Component Outline "SS 102512, ADDED SILKSCREEN." at 2497.55,116 h1
C38: Top Component Outline "SS 102512, ADDED SILKSCREEN." at 29,647.91 h1 r90
C39: Bottom Component Outline "SS 102512, ADDED SILKSCREEN." at 505,742 h1 r90
C40: Bottom Component Outline "SS 102512, ADDED SILKSCREEN." at 707,784 h1 r180
C41: Bottom Component Outline "SS 102512, ADDED SILKSCREEN." at 707,714 h1 r180
C42: Top Component Outline "SS 102512, ADDED SILKSCREEN." at 793.43,1302 h1 r90
C43: Top Component Outline "SS 102512, ADDED SILKSCREEN." at 1137.43,1294 h1 r180
F2: Bottom Component Outline "LOCATION: SURFACEMOUNT2LEAD.PCBLIB" at 90,1870 h1 r90; Bottom Component Outline "HISTORY: OLDER FOOTPRINT. MT 102610, CHECKED DIMENSIONS, ADDED COURTYARD, COMPONENT OUTLINE, CENTER OF ORIENTATION." at 92,1870 h1 r90; Bottom Component Outline "2. JB 082813 ADDED DESIGNER NOTE CLEAR COPPER UNDER FUSE." at 94,1870 h1 r90; Bottom Component Outline "3.  JB 121013 CHANGED LIBRARY NOTE TO CLEAR COPPER ON ALL LAYERS UNDER PTC FUSE AND ADDED NOTE AVOID VIA-IN-PAD AND THERMALS." at 96,1870 h1 r90; Bottom Component Center "AND THERMALS" at 315,1900 h25 r90; Bottom Component Center "FUSE AND AVOID VIA-IN-PAD" at 280,2055 h25 r90; Bottom Component Center "COPPER ON ALL LAYERS UNDER" at 85,2070 h25 r90; Bottom Component Center "ON PTC FUSE ONLY: CLEAR" at 50,2025 h25 r90
FB1: Top Component Outline "HISTORY: SS 102512, ADDED COMP COURTYARD, COMP OUTLINE, CENTER OF ORIENTATION, RESHAPED 3D" at 5591.77,3390 h1 r180
FB2: Bottom Component Outline "HISTORY: SS 102512, ADDED COMP COURTYARD, COMP OUTLINE, RESHAPED 3D" at 3432,494.63 h1 r180
FB3: Top Component Outline "LOCATION: SURFACEMOUNT2LEAD.PCBLIB" at 1464.5,578 h1 r90; Top Component Outline "HISTORY: MT 021011, OLDER FOOTPRINT, SAME SIZE AS 0603_RES FOOTPRINT." at 1466.5,578 h1 r90; Top Component Outline "SS 102512, ADDED SILKSCREEN." at 1466.5,646 h1 r90
FB4: Top Component Outline "FOOTPRINT WHERE USED: 1. PASSIVE COMPONENTS/EMI FERRITE BEADS AND CHIPS:SMT INDUCTORS" at 89.45,926.93 h1 r270; Top Component Outline "HISTORY: 1. MT 090909, UPDATED WITH ASSY & COURTYARD DETAILS. EXTRUDED 3D RE-SIZED BASED ON TDK SMT INDUCTORS." at 94.37,926.93 h1 r270; Top Component Outline "2. SS 102512, ADDED SILKSCREEN." at 92,927 h1 r270
FB5: Top Component Outline "LOCATION: SURFACEMOUNT2LEAD.PCBLIB" at 685.31,1572.12 h1 r270; Top Component Outline "HISTORY: MT 021011, OLDER FOOTPRINT, SAME SIZE AS 0603_RES FOOTPRINT." at 683.31,1572.12 h1 r270; Top Component Outline "SS 102512, ADDED SILKSCREEN." at 683.31,1504.12 h1 r270
J9: Top Overlay "UART" at 2213.64,360.89 h40 r270; Top Overlay "à" at 2515.63,250 h60 r270; Top Overlay "ß" at 2415.63,255 h60 r270; Top Overlay "+" at 2322.78,217.15 h30; Top Overlay "a" at 2620.3,207.71 h50
J10: Top Overlay "ICSP" at 1383.01,301.23 h40 r270
JP1: Top Overlay "18AWG" at 1626.43,4178.47 h40
MTG1: Top Component Outline "HISTORY: SS 091913, CREATED PER SPACEX BASIC F/P AND SYMBOL CREATION STANDARDS." at 209,4243 h1; Top Component Outline "LOCATION: TOOL-TEST-MTG.PCBLIB" at 230,4245 h1
MTG2: Top Component Outline "HISTORY: SS 091913, CREATED PER SPACEX BASIC F/P AND SYMBOL CREATION STANDARDS." at 209,378 h1; Top Component Outline "LOCATION: TOOL-TEST-MTG.PCBLIB" at 230,380 h1
MTG3: Top Component Outline "HISTORY: SS 091913, CREATED PER SPACEX BASIC F/P AND SYMBOL CREATION STANDARDS." at 5904,4243 h1; Top Component Outline "LOCATION: TOOL-TEST-MTG.PCBLIB" at 5925,4245 h1
MTG4: Top Component Outline "HISTORY: SS 091913, CREATED PER SPACEX BASIC F/P AND SYMBOL CREATION STANDARDS." at 5799,618 h1; Top Component Outline "LOCATION: TOOL-TEST-MTG.PCBLIB" at 5820,620 h1
MTG5: Top Component Outline "HISTORY: SS 091913, CREATED PER SPACEX BASIC F/P AND SYMBOL CREATION STANDARDS." at 3509,1693 h1; Top Component Outline "LOCATION: TOOL-TEST-MTG.PCBLIB" at 3530,1695 h1
R2: Bottom Component Outline "SS 102512, ADDED SILKSCREEN." at 1521,2988 h1 r270
R6: Top Component Outline "2. SS 102512, ADDED SILKSCREEN." at 3524,557.13 h1 r270; Top Component Outline "LOCATION: SURFACEMOUNT2LEAD.PCBLIB" at 3528,557.13 h1 r270; Top Component Outline "HISTORY: MT 021711, OLDER FOOTPRINT. STANDARD MAX HEIGHT 1.1MM" at 3526,557.13 h1 r270
R7: Bottom Component Outline "SS 102512, ADDED SILKSCREEN." at 3874,875.54 h1 r90
R8: Bottom Component Outline "SS 102512, ADDED SILKSCREEN." at 3736.5,827 h1 r180
R9: Bottom Component Outline "SS 102512, ADDED SILKSCREEN." at 3592,827 h1 r180
R10: Top Component Outline "SS 102512, ADDED SILKSCREEN." at 1957.37,1491 h1
R11: Top Component Outline "SS 102512, ADDED SILKSCREEN." at 1957.37,1681 h1
R12: Top Component Outline "SS 102512, ADDED SILKSCREEN." at 2071.37,1499 h1 r180
R13: Top Component Outline "SS 102512, ADDED SILKSCREEN." at 2071.37,1569 h1 r180
R14: Bottom Component Outline "SS 102512, ADDED SILKSCREEN." at 1397.37,1579 h1 r180
R16: Bottom Component Outline "SS 102512, ADDED SILKSCREEN." at 1397.37,1509 h1 r180
R17: Top Component Outline "2. SS 102512, ADDED SILKSCREEN." at 892.46,1919.6 h1 r270; Top Component Outline "LOCATION: SURFACEMOUNT2LEAD.PCBLIB" at 896.46,1919.6 h1 r270; Top Component Outline "HISTORY: MT 021711, OLDER FOOTPRINT. STANDARD MAX HEIGHT 1.1MM" at 894.46,1919.6 h1 r270
R18: Top Component Outline "2. SS 102512, ADDED SILKSCREEN." at 714.46,1785.6 h1 r90; Top Component Outline "LOCATION: SURFACEMOUNT2LEAD.PCBLIB" at 710.46,1785.6 h1 r90; Top Component Outline "HISTORY: MT 021711, OLDER FOOTPRINT. STANDARD MAX HEIGHT 1.1MM" at 712.46,1785.6 h1 r90
R19: Top Component Outline "SS 102512, ADDED SILKSCREEN." at 1255.46,1446.6 h1 r180
R20: Bottom Component Outline "SS 102512, ADDED SILKSCREEN." at 2221.63,223 h1 r270
R21: Bottom Component Outline "SS 102512, ADDED SILKSCREEN." at 2164.74,223 h1 r270
R22: Bottom Component Outline "SS 102512, ADDED SILKSCREEN." at 1918.68,403.88 h1 r270
R23: Bottom Component Outline "SS 102512, ADDED SILKSCREEN." at 1292.59,158.4 h1
R24: Bottom Component Outline "SS 102512, ADDED SILKSCREEN." at 1974,337 h1 r90
R25: Bottom Component Outline "SS 102512, ADDED SILKSCREEN." at 2039,337.63 h1 r90
R26: Top Component Outline "SS 102512, ADDED SILKSCREEN." at 1366,1038.54 h1 r270
R27: Top Component Outline "SS 102512, ADDED SILKSCREEN." at 1394,924.54 h1 r90
R28: Top Component Outline "SS 102512, ADDED SILKSCREEN." at 2193,116 h1
R29: Top Component Outline "SS 102512, ADDED SILKSCREEN." at 1473,811 h1
R30: Top Component Outline "2. SS 102512, ADDED SILKSCREEN." at 293,499 h1; Top Component Outline "LOCATION: SURFACEMOUNT2LEAD.PCBLIB" at 293,503 h1; Top Component Outline "HISTORY: MT 021711, OLDER FOOTPRINT. STANDARD MAX HEIGHT 1.1MM" at 293,501 h1
R31: Top Component Outline "SS 102512, ADDED SILKSCREEN." at 685.43,1418.5 h1 r270
R32: Top Component Outline "SS 102512, ADDED SILKSCREEN." at 982.96,1374 h1 r180
R33: Top Component Outline "SS 102512, ADDED SILKSCREEN." at 713.43,1303 h1 r90
R34: Top Component Outline "SS 102512, ADDED SILKSCREEN." at 2464,1368 h1 r90
R35: Top Component Outline "SS 102512, ADDED SILKSCREEN." at 2155.46,1909 h1 r180
R36: Top Component Outline "SS 102512, ADDED SILKSCREEN." at 2394.1,1346 h1
R37: Top Component Outline "SS 102512, ADDED SILKSCREEN." at 1525.46,543 h1 r90
R38: Top Component Outline "SS 102512, ADDED SILKSCREEN." at 1517,374 h1 r180
R39: Top Component Outline "SS 102512, ADDED SILKSCREEN." at 1559.46,426 h1